# KiCad board panel.kicad_pcb
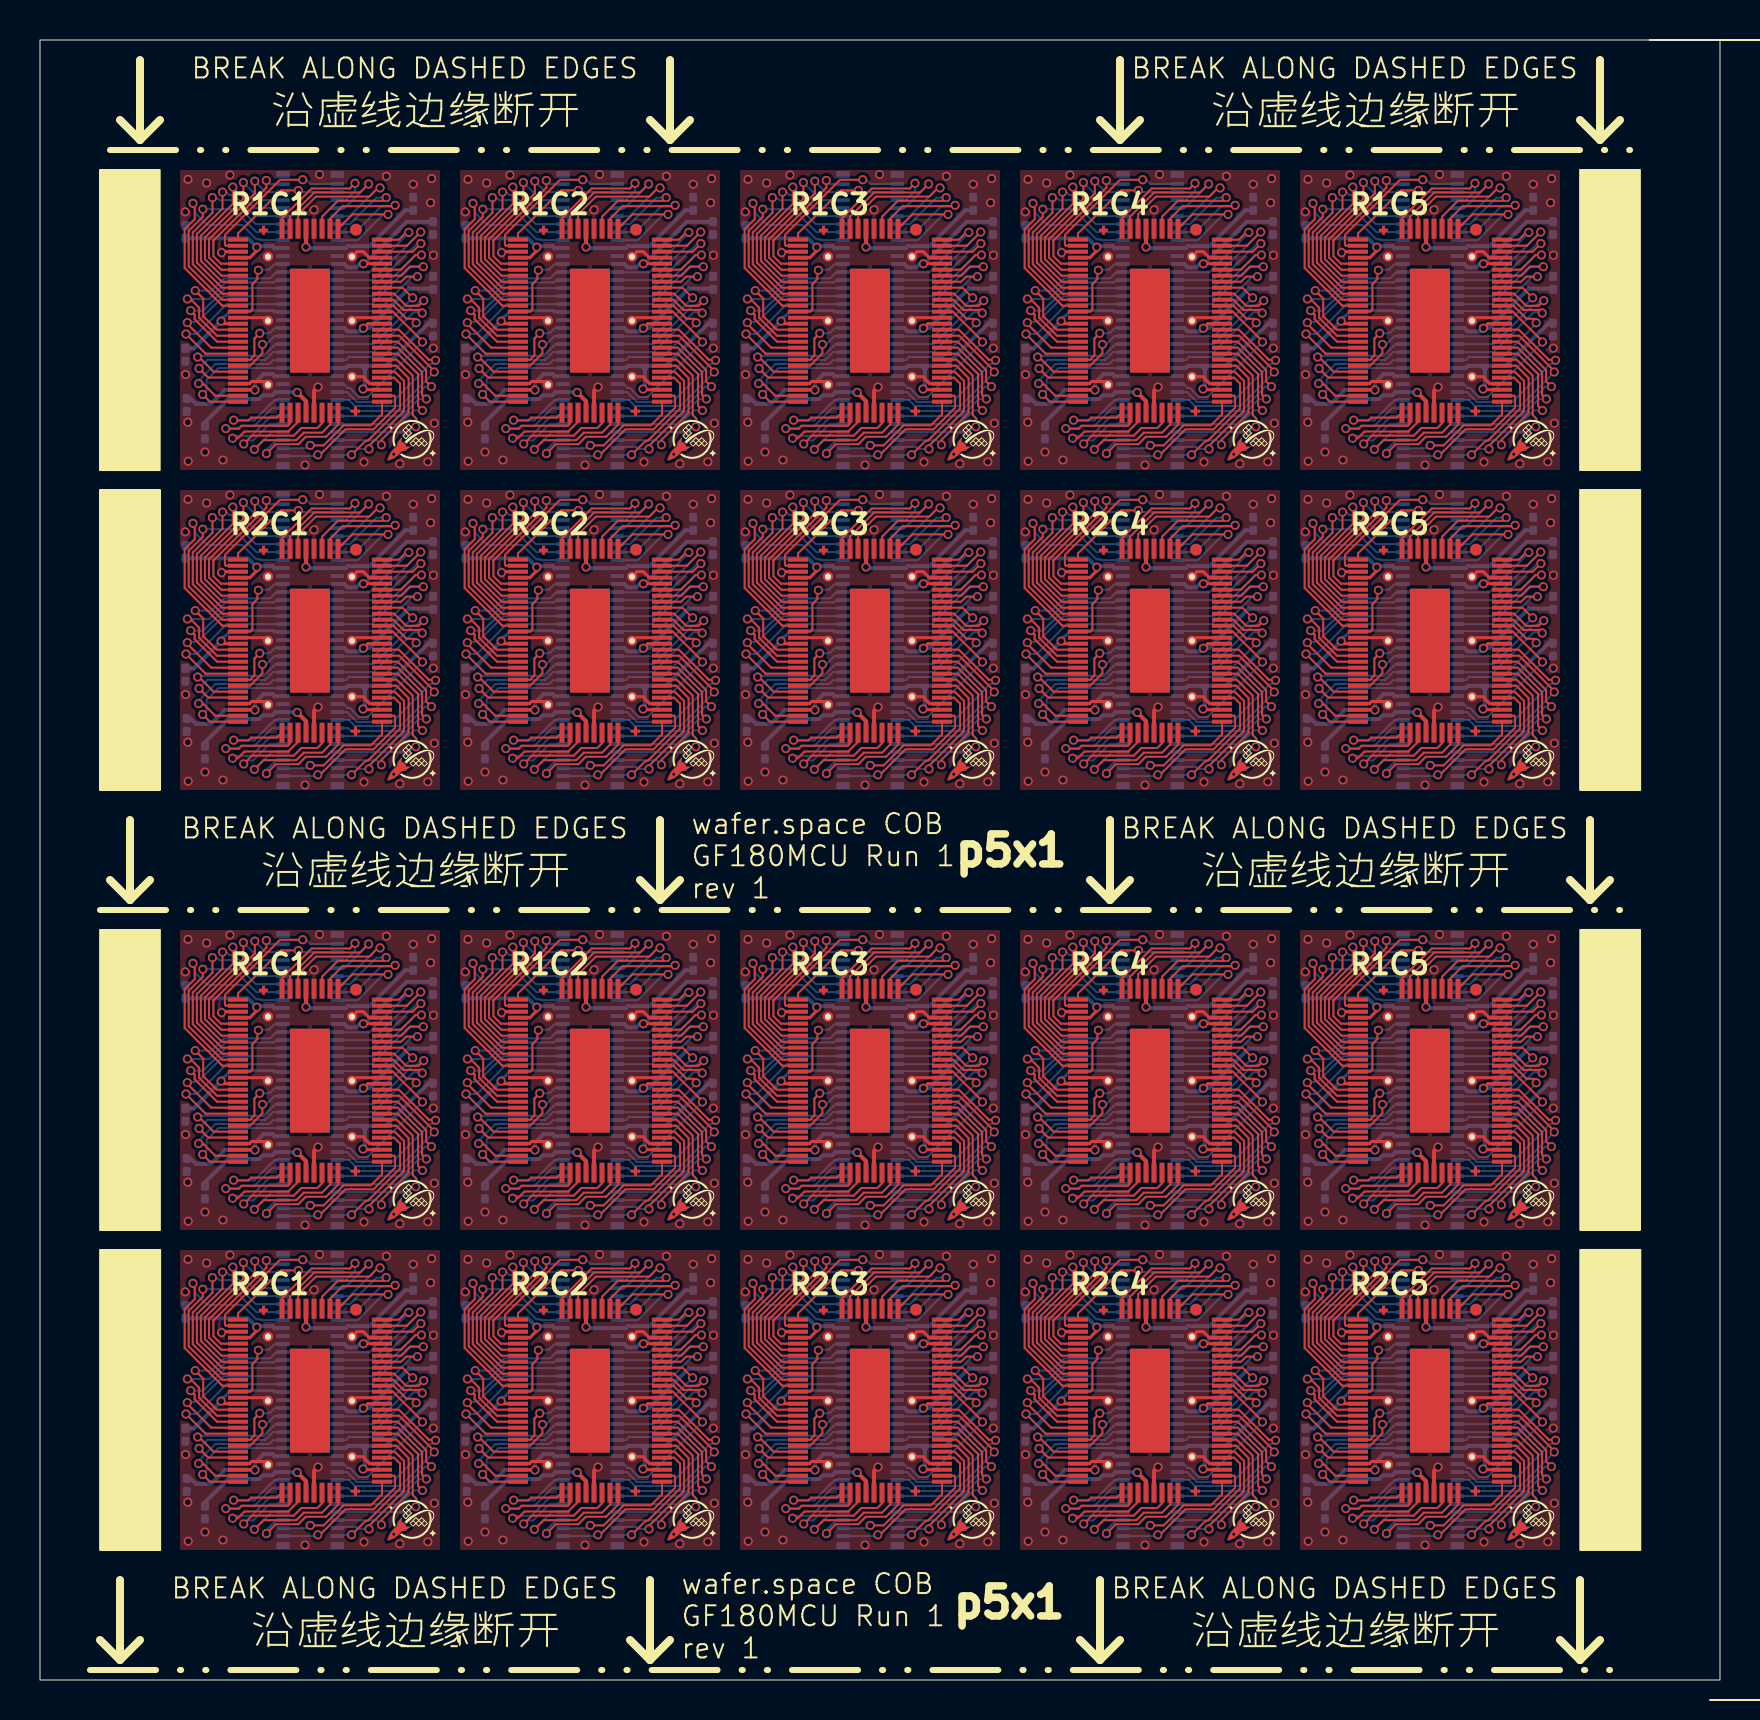
[diagram p0: board, top side]
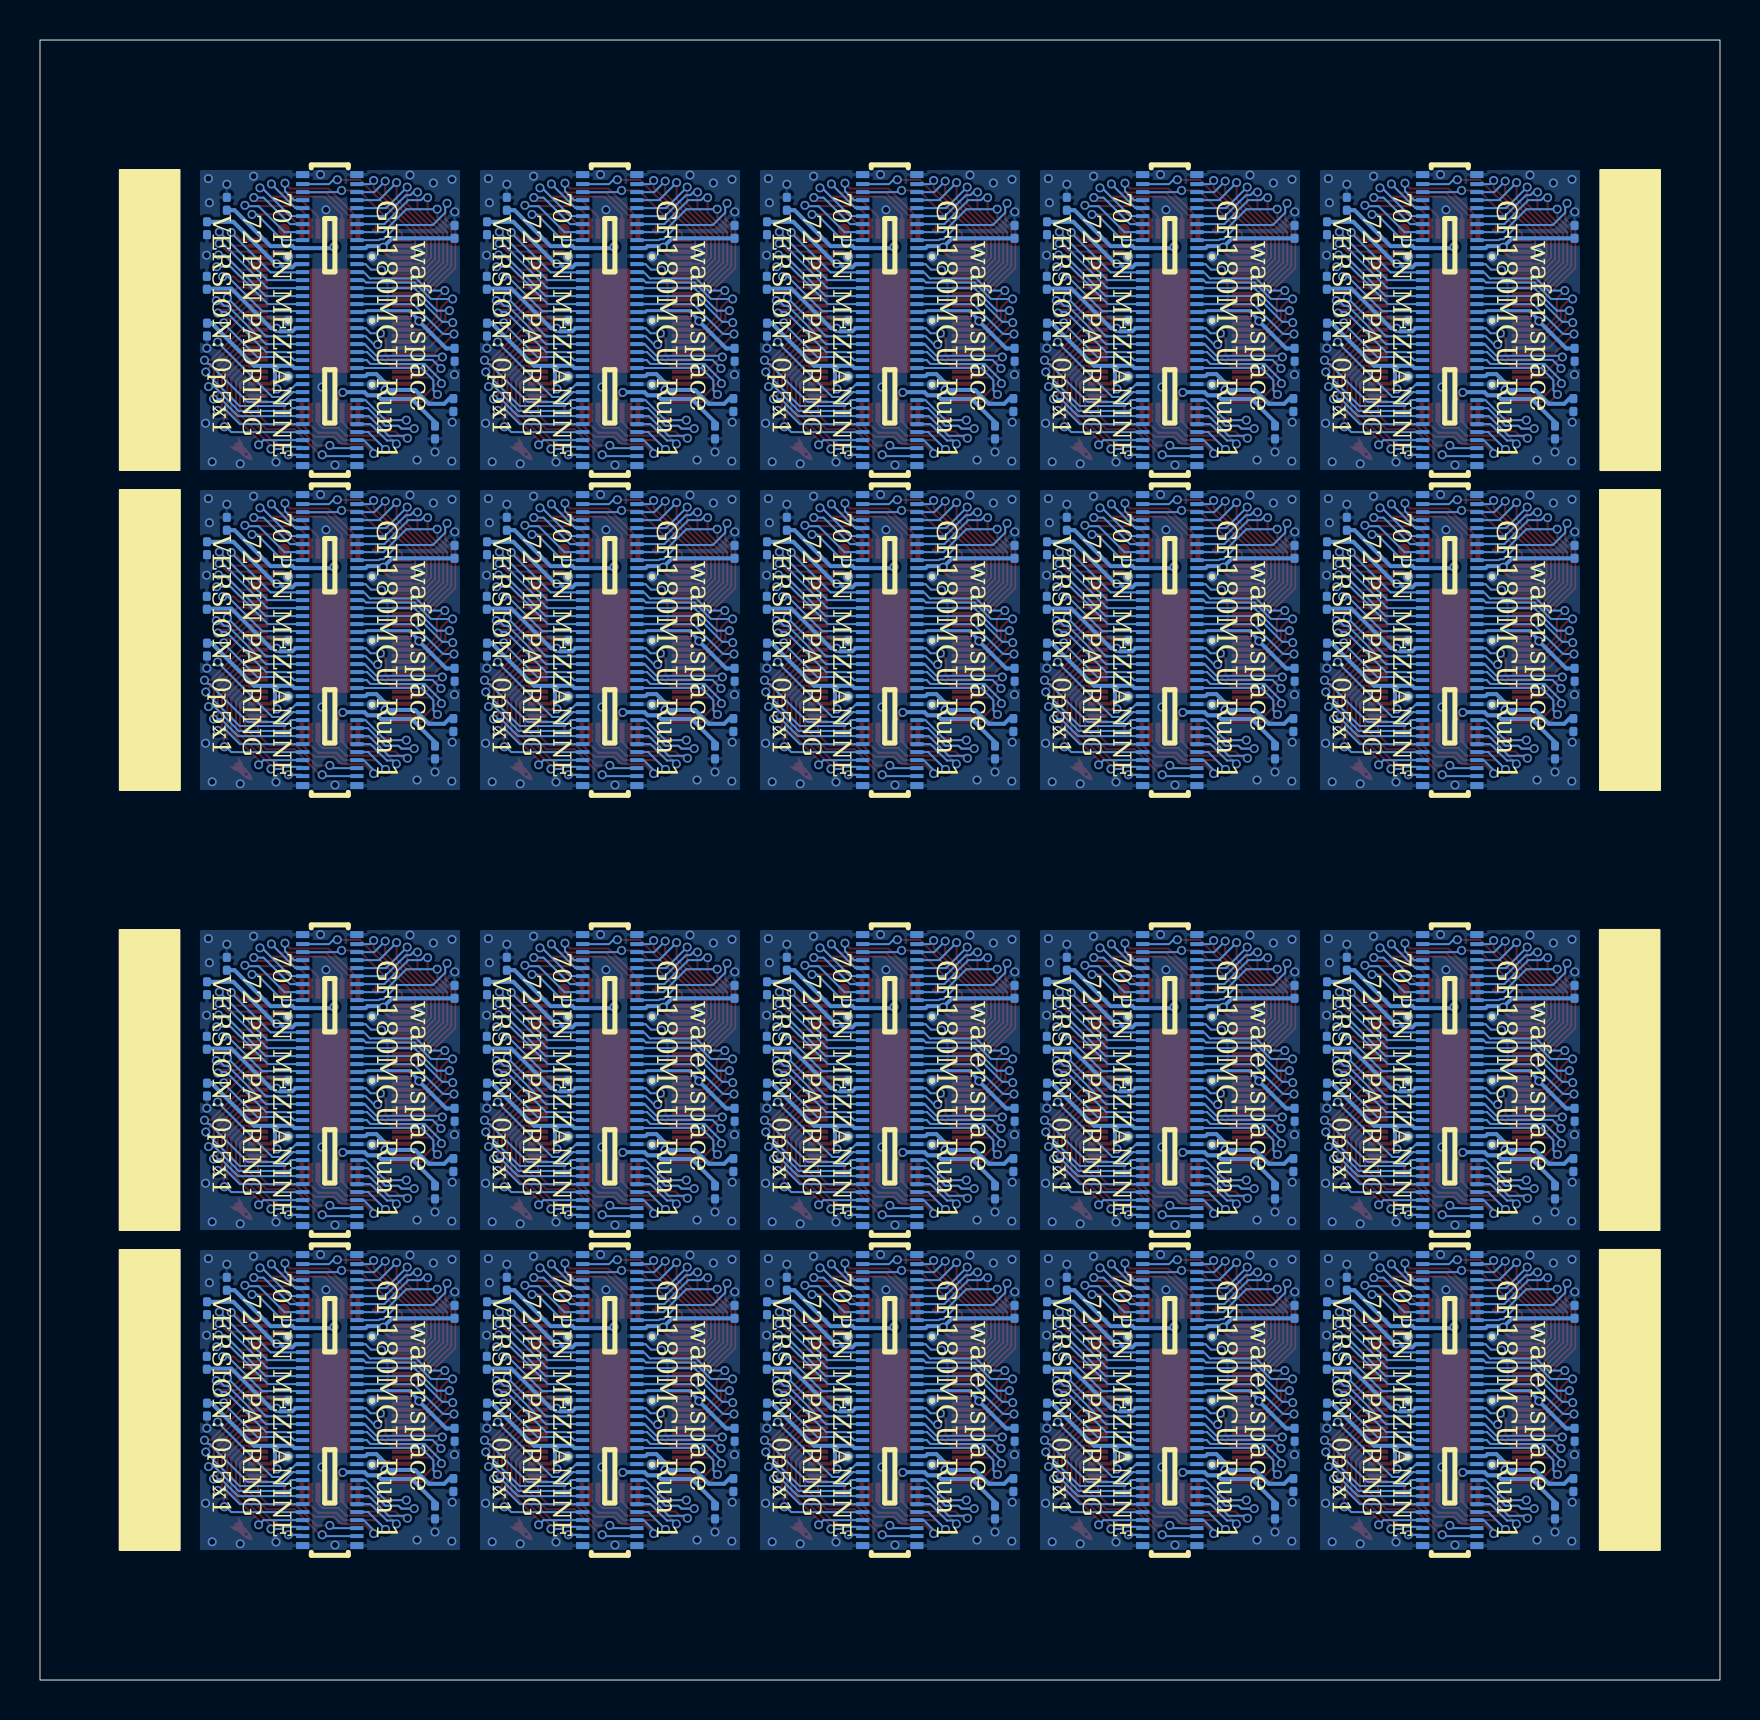
[diagram p1: board, bottom side, seen from below]

Outline 84 x 82 mm; copper layers: Top, Bottom. Coordinates in mm from the lower left corner of the outline.
Outline path: rectangle 0,82 84,0
Stack: Top 0.0175mm / dielectric 1.1533mm FR4 er 4.5 / Bottom 0.0175mm

## Placement (name value [footprint] x y rotation side)
C101  C_Small  [C_0201_0603Metric]  8.25 24.38 270 bottom
C101#2  C_Small  [C_0201_0603Metric]  8.25 62.38 270 bottom
C102  C_Small  [C_0201_0603Metric]  18.66 35.81 90 bottom
C102#2  C_Small  [C_0201_0603Metric]  18.66 73.81 90 bottom
C103  C_Small  [C_0201_0603Metric]  7.33 63.75 270 bottom
C103#2  C_Small  [C_0201_0603Metric]  7.33 25.75 270 bottom
C104  C_Small  [C_0201_0603Metric]  19.65 34.59 270 bottom
C104#2  C_Small  [C_0201_0603Metric]  19.65 72.59 270 bottom
C105  C_Small  [C_0201_0603Metric]  7.27 28.26 270 bottom
C105#2  C_Small  [C_0201_0603Metric]  7.27 66.26 270 bottom
C106  C_Small  [C_0201_0603Metric]  19.66 31.86 90 bottom
C106#2  C_Small  [C_0201_0603Metric]  19.66 69.86 90 bottom
C107  C_Small  [C_0201_0603Metric]  7.27 72.41 90 bottom
C107#2  C_Small  [C_0201_0603Metric]  7.27 34.41 90 bottom
C108  C_Small  [C_0201_0603Metric]  19.65 29.52 270 bottom
C108#2  C_Small  [C_0201_0603Metric]  19.65 67.52 270 bottom
C109  C_Small  [C_0201_0603Metric]  22.25 24.38 270 bottom
C109#2  C_Small  [C_0201_0603Metric]  22.25 62.38 270 bottom
C110  C_Small  [C_0201_0603Metric]  32.66 73.81 90 bottom
C110#2  C_Small  [C_0201_0603Metric]  32.66 35.81 90 bottom
C111  C_Small  [C_0201_0603Metric]  21.33 25.75 270 bottom
C111#2  C_Small  [C_0201_0603Metric]  21.33 63.75 270 bottom
C112  C_Small  [C_0201_0603Metric]  33.65 34.59 270 bottom
C112#2  C_Small  [C_0201_0603Metric]  33.65 72.59 270 bottom
C113  C_Small  [C_0201_0603Metric]  21.27 66.26 270 bottom
C113#2  C_Small  [C_0201_0603Metric]  21.27 28.26 270 bottom
C114  C_Small  [C_0201_0603Metric]  33.66 31.86 90 bottom
C114#2  C_Small  [C_0201_0603Metric]  33.66 69.86 90 bottom
C115  C_Small  [C_0201_0603Metric]  21.27 72.41 90 bottom
C115#2  C_Small  [C_0201_0603Metric]  21.27 34.41 90 bottom
C116  C_Small  [C_0201_0603Metric]  33.65 67.52 270 bottom
C116#2  C_Small  [C_0201_0603Metric]  33.65 29.52 270 bottom
C117  C_Small  [C_0201_0603Metric]  36.25 24.38 270 bottom
C117#2  C_Small  [C_0201_0603Metric]  36.25 62.38 270 bottom
C118  C_Small  [C_0201_0603Metric]  46.66 73.81 90 bottom
C118#2  C_Small  [C_0201_0603Metric]  46.66 35.81 90 bottom
C119  C_Small  [C_0201_0603Metric]  35.33 63.75 270 bottom
C119#2  C_Small  [C_0201_0603Metric]  35.33 25.75 270 bottom
C120  C_Small  [C_0201_0603Metric]  47.65 34.59 270 bottom
C120#2  C_Small  [C_0201_0603Metric]  47.65 72.59 270 bottom
C121  C_Small  [C_0201_0603Metric]  35.27 28.26 270 bottom
C121#2  C_Small  [C_0201_0603Metric]  35.27 66.26 270 bottom
C122  C_Small  [C_0201_0603Metric]  47.66 31.86 90 bottom
C122#2  C_Small  [C_0201_0603Metric]  47.66 69.86 90 bottom
C123  C_Small  [C_0201_0603Metric]  35.27 72.41 90 bottom
C123#2  C_Small  [C_0201_0603Metric]  35.27 34.41 90 bottom
C124  C_Small  [C_0201_0603Metric]  47.65 29.52 270 bottom
C124#2  C_Small  [C_0201_0603Metric]  47.65 67.52 270 bottom
C125  C_Small  [C_0201_0603Metric]  50.25 62.38 270 bottom
C125#2  C_Small  [C_0201_0603Metric]  50.25 24.38 270 bottom
C126  C_Small  [C_0201_0603Metric]  60.66 73.81 90 bottom
C126#2  C_Small  [C_0201_0603Metric]  60.66 35.81 90 bottom
C127  C_Small  [C_0201_0603Metric]  49.33 63.75 270 bottom
C127#2  C_Small  [C_0201_0603Metric]  49.33 25.75 270 bottom
C128  C_Small  [C_0201_0603Metric]  61.65 34.59 270 bottom
C128#2  C_Small  [C_0201_0603Metric]  61.65 72.59 270 bottom
C129  C_Small  [C_0201_0603Metric]  49.27 28.26 270 bottom
C129#2  C_Small  [C_0201_0603Metric]  49.27 66.26 270 bottom
C130  C_Small  [C_0201_0603Metric]  61.66 69.86 90 bottom
C130#2  C_Small  [C_0201_0603Metric]  61.66 31.86 90 bottom
C131  C_Small  [C_0201_0603Metric]  49.27 72.41 90 bottom
C131#2  C_Small  [C_0201_0603Metric]  49.27 34.41 90 bottom
C132  C_Small  [C_0201_0603Metric]  61.65 67.52 270 bottom
C132#2  C_Small  [C_0201_0603Metric]  61.65 29.52 270 bottom
C133  C_Small  [C_0201_0603Metric]  64.25 24.38 270 bottom
C133#2  C_Small  [C_0201_0603Metric]  64.25 62.38 270 bottom
C134  C_Small  [C_0201_0603Metric]  74.66 73.81 90 bottom
C134#2  C_Small  [C_0201_0603Metric]  74.66 35.81 90 bottom
C135  C_Small  [C_0201_0603Metric]  63.33 63.75 270 bottom
C135#2  C_Small  [C_0201_0603Metric]  63.33 25.75 270 bottom
C136  C_Small  [C_0201_0603Metric]  75.65 34.59 270 bottom
C136#2  C_Small  [C_0201_0603Metric]  75.65 72.59 270 bottom
C137  C_Small  [C_0201_0603Metric]  63.27 28.26 270 bottom
C137#2  C_Small  [C_0201_0603Metric]  63.27 66.26 270 bottom
C138  C_Small  [C_0201_0603Metric]  75.66 31.86 90 bottom
C138#2  C_Small  [C_0201_0603Metric]  75.66 69.86 90 bottom
C139  C_Small  [C_0201_0603Metric]  63.27 72.41 90 bottom
C139#2  C_Small  [C_0201_0603Metric]  63.27 34.41 90 bottom
C140  C_Small  [C_0201_0603Metric]  75.65 67.52 270 bottom
C140#2  C_Small  [C_0201_0603Metric]  75.65 29.52 270 bottom
C141  C_Small  [C_0201_0603Metric]  8.25 8.38 270 bottom
C141#2  C_Small  [C_0201_0603Metric]  8.25 46.38 270 bottom
C142  C_Small  [C_0201_0603Metric]  18.66 57.81 90 bottom
C142#2  C_Small  [C_0201_0603Metric]  18.66 19.81 90 bottom
C143  C_Small  [C_0201_0603Metric]  7.33 9.75 270 bottom
C143#2  C_Small  [C_0201_0603Metric]  7.33 47.75 270 bottom
C144  C_Small  [C_0201_0603Metric]  19.65 56.59 270 bottom
C144#2  C_Small  [C_0201_0603Metric]  19.65 18.59 270 bottom
C145  C_Small  [C_0201_0603Metric]  7.27 12.26 270 bottom
C145#2  C_Small  [C_0201_0603Metric]  7.27 50.26 270 bottom
C146  C_Small  [C_0201_0603Metric]  19.66 15.86 90 bottom
C146#2  C_Small  [C_0201_0603Metric]  19.66 53.86 90 bottom
C147  C_Small  [C_0201_0603Metric]  7.27 18.41 90 bottom
C147#2  C_Small  [C_0201_0603Metric]  7.27 56.41 90 bottom
C148  C_Small  [C_0201_0603Metric]  19.65 13.52 270 bottom
C148#2  C_Small  [C_0201_0603Metric]  19.65 51.52 270 bottom
C149  C_Small  [C_0201_0603Metric]  22.25 8.38 270 bottom
C149#2  C_Small  [C_0201_0603Metric]  22.25 46.38 270 bottom
C150  C_Small  [C_0201_0603Metric]  32.66 19.81 90 bottom
C150#2  C_Small  [C_0201_0603Metric]  32.66 57.81 90 bottom
C151  C_Small  [C_0201_0603Metric]  21.33 9.75 270 bottom
C151#2  C_Small  [C_0201_0603Metric]  21.33 47.75 270 bottom
C152  C_Small  [C_0201_0603Metric]  33.65 18.59 270 bottom
C152#2  C_Small  [C_0201_0603Metric]  33.65 56.59 270 bottom
C153  C_Small  [C_0201_0603Metric]  21.27 50.26 270 bottom
C153#2  C_Small  [C_0201_0603Metric]  21.27 12.26 270 bottom
C154  C_Small  [C_0201_0603Metric]  33.66 53.86 90 bottom
C154#2  C_Small  [C_0201_0603Metric]  33.66 15.86 90 bottom
C155  C_Small  [C_0201_0603Metric]  21.27 18.41 90 bottom
C155#2  C_Small  [C_0201_0603Metric]  21.27 56.41 90 bottom
C156  C_Small  [C_0201_0603Metric]  33.65 13.52 270 bottom
C156#2  C_Small  [C_0201_0603Metric]  33.65 51.52 270 bottom
C157  C_Small  [C_0201_0603Metric]  36.25 8.38 270 bottom
C157#2  C_Small  [C_0201_0603Metric]  36.25 46.38 270 bottom
C158  C_Small  [C_0201_0603Metric]  46.66 57.81 90 bottom
C158#2  C_Small  [C_0201_0603Metric]  46.66 19.81 90 bottom
C159  C_Small  [C_0201_0603Metric]  35.33 47.75 270 bottom
C159#2  C_Small  [C_0201_0603Metric]  35.33 9.75 270 bottom
C160  C_Small  [C_0201_0603Metric]  47.65 18.59 270 bottom
C160#2  C_Small  [C_0201_0603Metric]  47.65 56.59 270 bottom
C161  C_Small  [C_0201_0603Metric]  35.27 12.26 270 bottom
C161#2  C_Small  [C_0201_0603Metric]  35.27 50.26 270 bottom
C162  C_Small  [C_0201_0603Metric]  47.66 15.86 90 bottom
C162#2  C_Small  [C_0201_0603Metric]  47.66 53.86 90 bottom
C163  C_Small  [C_0201_0603Metric]  35.27 18.41 90 bottom
C163#2  C_Small  [C_0201_0603Metric]  35.27 56.41 90 bottom
C164  C_Small  [C_0201_0603Metric]  47.65 13.52 270 bottom
C164#2  C_Small  [C_0201_0603Metric]  47.65 51.52 270 bottom
C165  C_Small  [C_0201_0603Metric]  50.25 8.38 270 bottom
C165#2  C_Small  [C_0201_0603Metric]  50.25 46.38 270 bottom
C166  C_Small  [C_0201_0603Metric]  60.66 19.81 90 bottom
C166#2  C_Small  [C_0201_0603Metric]  60.66 57.81 90 bottom
C167  C_Small  [C_0201_0603Metric]  49.33 9.75 270 bottom
C167#2  C_Small  [C_0201_0603Metric]  49.33 47.75 270 bottom
C168  C_Small  [C_0201_0603Metric]  61.65 56.59 270 bottom
C168#2  C_Small  [C_0201_0603Metric]  61.65 18.59 270 bottom
C169  C_Small  [C_0201_0603Metric]  49.27 12.26 270 bottom
C169#2  C_Small  [C_0201_0603Metric]  49.27 50.26 270 bottom
C170  C_Small  [C_0201_0603Metric]  61.66 15.86 90 bottom
C170#2  C_Small  [C_0201_0603Metric]  61.66 53.86 90 bottom
C171  C_Small  [C_0201_0603Metric]  49.27 18.41 90 bottom
C171#2  C_Small  [C_0201_0603Metric]  49.27 56.41 90 bottom
C172  C_Small  [C_0201_0603Metric]  61.65 13.52 270 bottom
C172#2  C_Small  [C_0201_0603Metric]  61.65 51.52 270 bottom
C173  C_Small  [C_0201_0603Metric]  64.25 8.38 270 bottom
C173#2  C_Small  [C_0201_0603Metric]  64.25 46.38 270 bottom
C174  C_Small  [C_0201_0603Metric]  74.66 19.81 90 bottom
C174#2  C_Small  [C_0201_0603Metric]  74.66 57.81 90 bottom
C175  C_Small  [C_0201_0603Metric]  63.33 9.75 270 bottom
C175#2  C_Small  [C_0201_0603Metric]  63.33 47.75 270 bottom
C176  C_Small  [C_0201_0603Metric]  75.65 18.59 270 bottom
C176#2  C_Small  [C_0201_0603Metric]  75.65 56.59 270 bottom
C177  C_Small  [C_0201_0603Metric]  63.27 50.26 270 bottom
C177#2  C_Small  [C_0201_0603Metric]  63.27 12.26 270 bottom
C178  C_Small  [C_0201_0603Metric]  75.66 53.86 90 bottom
C178#2  C_Small  [C_0201_0603Metric]  75.66 15.86 90 bottom
C179  C_Small  [C_0201_0603Metric]  63.27 56.41 90 bottom
C179#2  C_Small  [C_0201_0603Metric]  63.27 18.41 90 bottom
C180  C_Small  [C_0201_0603Metric]  75.65 51.52 270 bottom
C180#2  C_Small  [C_0201_0603Metric]  75.65 13.52 270 bottom
G***  LOGO  [waferspace_pin1_silk]  18.55 23.9 180 top
G***1  LOGO  [waferspace_pin1_silk]  32.55 23.9 180 top
G***1#2  LOGO  [waferspace_pin1_silk]  32.55 61.9 180 top
G***2  LOGO  [waferspace_pin1_silk]  46.55 23.9 180 top
G***2#2  LOGO  [waferspace_pin1_silk]  46.55 61.9 180 top
G***3  LOGO  [waferspace_pin1_silk]  60.55 61.9 180 top
G***3#2  LOGO  [waferspace_pin1_silk]  60.55 23.9 180 top
G***4  LOGO  [waferspace_pin1_silk]  74.55 23.9 180 top
G***4#2  LOGO  [waferspace_pin1_silk]  74.55 61.9 180 top
G***5  LOGO  [waferspace_pin1_silk]  18.55 7.9 180 top
G***5#2  LOGO  [waferspace_pin1_silk]  18.55 45.9 180 top
G***6  LOGO  [waferspace_pin1_silk]  32.55 7.9 180 top
G***6#2  LOGO  [waferspace_pin1_silk]  32.55 45.9 180 top
G***7  LOGO  [waferspace_pin1_silk]  46.55 7.9 180 top
G***7#2  LOGO  [waferspace_pin1_silk]  46.55 45.9 180 top
G***8  LOGO  [waferspace_pin1_silk]  60.55 45.9 180 top
G***8#2  LOGO  [waferspace_pin1_silk]  60.55 7.9 180 top
G***9  LOGO  [waferspace_pin1_silk]  74.55 7.9 180 top
G***9#2  LOGO  [waferspace_pin1_silk]  74.55 45.9 180 top
G***#2  LOGO  [waferspace_pin1_silk]  18.55 61.9 180 top
U101  ~  [CONN-SMD_70P-P0.40_HCTL_HC-PBB40C-70DP-0.4V-02]  13.51 68 270 bottom
U101#2  ~  [CONN-SMD_70P-P0.40_HCTL_HC-PBB40C-70DP-0.4V-02]  13.51 30 270 bottom
U102  ~  [waferspace_p5x1_padring_v0.2]  13.5 29.97 0 top
U102#2  ~  [waferspace_p5x1_padring_v0.2]  13.5 67.97 0 top
U103  ~  [CONN-SMD_70P-P0.40_HCTL_HC-PBB40C-70DP-0.4V-02]  27.51 30 270 bottom
U103#2  ~  [CONN-SMD_70P-P0.40_HCTL_HC-PBB40C-70DP-0.4V-02]  27.51 68 270 bottom
U104  ~  [waferspace_p5x1_padring_v0.2]  27.5 29.97 0 top
U104#2  ~  [waferspace_p5x1_padring_v0.2]  27.5 67.97 0 top
U105  ~  [CONN-SMD_70P-P0.40_HCTL_HC-PBB40C-70DP-0.4V-02]  41.51 30 270 bottom
U105#2  ~  [CONN-SMD_70P-P0.40_HCTL_HC-PBB40C-70DP-0.4V-02]  41.51 68 270 bottom
U106  ~  [waferspace_p5x1_padring_v0.2]  41.5 29.97 0 top
U106#2  ~  [waferspace_p5x1_padring_v0.2]  41.5 67.97 0 top
U107  ~  [CONN-SMD_70P-P0.40_HCTL_HC-PBB40C-70DP-0.4V-02]  55.51 68 270 bottom
U107#2  ~  [CONN-SMD_70P-P0.40_HCTL_HC-PBB40C-70DP-0.4V-02]  55.51 30 270 bottom
U108  ~  [waferspace_p5x1_padring_v0.2]  55.5 29.97 0 top
U108#2  ~  [waferspace_p5x1_padring_v0.2]  55.5 67.97 0 top
U109  ~  [CONN-SMD_70P-P0.40_HCTL_HC-PBB40C-70DP-0.4V-02]  69.51 68 270 bottom
U109#2  ~  [CONN-SMD_70P-P0.40_HCTL_HC-PBB40C-70DP-0.4V-02]  69.51 30 270 bottom
U110  ~  [waferspace_p5x1_padring_v0.2]  69.5 29.97 0 top
U110#2  ~  [waferspace_p5x1_padring_v0.2]  69.5 67.97 0 top
U111  ~  [CONN-SMD_70P-P0.40_HCTL_HC-PBB40C-70DP-0.4V-02]  13.51 52 270 bottom
U111#2  ~  [CONN-SMD_70P-P0.40_HCTL_HC-PBB40C-70DP-0.4V-02]  13.51 14 270 bottom
U112  ~  [waferspace_p5x1_padring_v0.2]  13.5 51.97 0 top
U112#2  ~  [waferspace_p5x1_padring_v0.2]  13.5 13.97 0 top
U113  ~  [CONN-SMD_70P-P0.40_HCTL_HC-PBB40C-70DP-0.4V-02]  27.51 52 270 bottom
U113#2  ~  [CONN-SMD_70P-P0.40_HCTL_HC-PBB40C-70DP-0.4V-02]  27.51 14 270 bottom
U114  ~  [waferspace_p5x1_padring_v0.2]  27.5 51.97 0 top
U114#2  ~  [waferspace_p5x1_padring_v0.2]  27.5 13.97 0 top
U115  ~  [CONN-SMD_70P-P0.40_HCTL_HC-PBB40C-70DP-0.4V-02]  41.51 14 270 bottom
U115#2  ~  [CONN-SMD_70P-P0.40_HCTL_HC-PBB40C-70DP-0.4V-02]  41.51 52 270 bottom
U116  ~  [waferspace_p5x1_padring_v0.2]  41.5 51.97 0 top
U116#2  ~  [waferspace_p5x1_padring_v0.2]  41.5 13.97 0 top
U117  ~  [CONN-SMD_70P-P0.40_HCTL_HC-PBB40C-70DP-0.4V-02]  55.51 14 270 bottom
U117#2  ~  [CONN-SMD_70P-P0.40_HCTL_HC-PBB40C-70DP-0.4V-02]  55.51 52 270 bottom
U118  ~  [waferspace_p5x1_padring_v0.2]  55.5 51.97 0 top
U118#2  ~  [waferspace_p5x1_padring_v0.2]  55.5 13.97 0 top
U119  ~  [CONN-SMD_70P-P0.40_HCTL_HC-PBB40C-70DP-0.4V-02]  69.51 14 270 bottom
U119#2  ~  [CONN-SMD_70P-P0.40_HCTL_HC-PBB40C-70DP-0.4V-02]  69.51 52 270 bottom
U120  ~  [waferspace_p5x1_padring_v0.2]  69.5 13.97 0 top
U120#2  ~  [waferspace_p5x1_padring_v0.2]  69.5 51.97 0 top

## Library data of the parts
C101 C101#2 C102 C102#2 C103 C103#2 C104 C104#2 C105 C105#2 C106 C106#2 C107 C107#2 C108 C108#2 C109 C109#2 C110 C110#2 C111 C111#2 C112 C112#2 C113 C113#2 C114 C114#2 C115 C115#2 C116 C116#2 C117 C117#2 C118 C118#2 C119 C119#2 C120 C120#2 C121 C121#2 C122 C122#2 C123 C123#2 C124 C124#2 C125 C125#2 C126 C126#2 C127 C127#2 C128 C128#2 C129 C129#2 C130 C130#2 C131 C131#2 C132 C132#2 C133 C133#2 C134 C134#2 C135 C135#2 C136 C136#2 C137 C137#2 C138 C138#2 C139 C139#2 C140 C140#2 C141 C141#2 C142 C142#2 C143 C143#2 C144 C144#2 C145 C145#2 C146 C146#2 C147 C147#2 C148 C148#2 C149 C149#2 C150 C150#2 C151 C151#2 C152 C152#2 C153 C153#2 C154 C154#2 C155 C155#2 C156 C156#2 C157 C157#2 C158 C158#2 C159 C159#2 C160 C160#2 C161 C161#2 C162 C162#2 C163 C163#2 C164 C164#2 C165 C165#2 C166 C166#2 C167 C167#2 C168 C168#2 C169 C169#2 C170 C170#2 C171 C171#2 C172 C172#2 C173 C173#2 C174 C174#2 C175 C175#2 C176 C176#2 C177 C177#2 C178 C178#2 C179 C179#2 C180 C180#2 = -: Description: Unpolarized capacitor, small symbol; ki_fp_filters: C_*

## Footprints (pads in the part's own frame, mm; a bottom-side part is the same pattern mirrored in y, then rotated)
C_0201_0603Metric
  rrect 0.318x0.36 smd: (-0.345,0) (0.345,0)
  rrect 0.46x0.4 smd: 1(-0.32,0) 2(0.32,0)
CONN-SMD_70P-P0.40_HCTL_HC-PBB40C-70DP-0.4V-02
  rect 0.2x0.66 smd: 1(-6.8,-1.355) 2(-6.4,-1.355) 3(-6,-1.355) 4(-5.6,-1.355) 5(-5.2,-1.355) 6(-4.8,-1.355) 7(-4.4,-1.355) 8(-4,-1.355) 9(-3.6,-1.355) 10(-3.2,-1.355) 11(-2.8,-1.355) 12(-2.4,-1.355) 13(-2,-1.355) 14(-1.6,-1.355) 15(-1.2,-1.355) 16(-0.8,-1.355) 17(-0.4,-1.355) 18(0,-1.355) 19(0.4,-1.355) 20(0.8,-1.355) 21(1.2,-1.355) 22(1.6,-1.355) 23(2,-1.355) 24(2.4,-1.355) 25(2.8,-1.355) 26(3.2,-1.355) 27(3.6,-1.355) 28(4,-1.355) 29(4.4,-1.355) 30(4.8,-1.355) 31(5.2,-1.355) 32(5.6,-1.355) 33(6,-1.355) 34(6.4,-1.355) 35(6.8,-1.355) 36(6.8,1.355) 37(6.4,1.355) 38(6,1.355) 39(5.6,1.355) 40(5.2,1.355) 41(4.8,1.355) 42(4.4,1.355) 43(4,1.355) 44(3.6,1.355) 45(3.2,1.355) 46(2.8,1.355) 47(2.4,1.355) 48(2,1.355) 49(1.6,1.355) 50(1.2,1.355) 51(0.8,1.355) 52(0.4,1.355) 53(0,1.355) 54(-0.4,1.355) 55(-0.8,1.355) 56(-1.2,1.355) 57(-1.6,1.355) 58(-2,1.355) 59(-2.4,1.355) 60(-2.8,1.355) 61(-3.2,1.355) 62(-3.6,1.355) 63(-4,1.355) 64(-4.4,1.355) 65(-4.8,1.355) 66(-5.2,1.355) 67(-5.6,1.355) 68(-6,1.355) 69(-6.4,1.355) 70(-6.8,1.355)
  rect 0.35x0.66 smd: MP(-7.275,-1.355) MP(-7.275,1.355) MP(7.275,-1.355) MP(7.275,1.355)
waferspace_p5x1_padring_v0.2
  rect 0.25x1 smd: 1(1.4,4.6) 2(1,4.6) 3(0.6,4.6) 4(0.2,4.6) 5(-0.2,4.6) 6(-0.6,4.6) 7(-1,4.6) 8(-1.4,4.6) 37(-1.4,-4.6) 38(-1,-4.6) 39(-0.6,-4.6) 40(-0.2,-4.6) 41(0.2,-4.6) 42(0.6,-4.6) 43(1,-4.6) 44(1.4,-4.6)
  rect 1x0.2 smd: 9(-3.6,4.05) 10(-3.6,3.75) 11(-3.6,3.45) 12(-3.6,3.15) 13(-3.6,2.85) 14(-3.6,2.55) 15(-3.6,2.25) 16(-3.6,1.95) 17(-3.6,1.65) 18(-3.6,1.35) 19(-3.6,1.05) 20(-3.6,0.75) 21(-3.6,0.45) 22(-3.6,0.15) 23(-3.6,-0.15) 24(-3.6,-0.45) 25(-3.6,-0.75) 26(-3.6,-1.05) 27(-3.6,-1.35) 28(-3.6,-1.65) 29(-3.6,-1.95) 30(-3.6,-2.25) 31(-3.6,-2.55) 32(-3.6,-2.85) 33(-3.6,-3.15) 34(-3.6,-3.45) 35(-3.6,-3.75) 36(-3.6,-4.05) 45(3.6,-4.05) 46(3.6,-3.75) 47(3.6,-3.45) 48(3.6,-3.15) 49(3.6,-2.85) 50(3.6,-2.55) 51(3.6,-2.25) 52(3.6,-1.95) 53(3.6,-1.65) 54(3.6,-1.35) 55(3.6,-1.05) 56(3.6,-0.75) 57(3.6,-0.45) 58(3.6,-0.15) 59(3.6,0.15) 60(3.6,0.45) 61(3.6,0.75) 62(3.6,1.05) 63(3.6,1.35) 64(3.6,1.65) 65(3.6,1.95) 66(3.6,2.25) 67(3.6,2.55) 68(3.6,2.85) 69(3.6,3.15) 70(3.6,3.45) 71(3.6,3.75) 72(3.6,4.05)
  rrect 2x5.2 smd: 75(0,0)
  round 0.5 hole 0.3: 76(2.1,-2.8) 77(2.1,0) 78(2.1,3.2) 79(-2.1,3.2) 80(-2.1,0) 81(-2.1,-3.2)

## Nets
GND: C101.2 C101#2.2 C102.2 C102#2.2 C103.2 C103#2.2 C104.2 C104#2.2 C105.2 C105#2.2 C106.2 C106#2.2 C107.2 C107#2.2 C108.2 C108#2.2 C109.2 C109#2.2 C110.2 C110#2.2 C111.2 C111#2.2 C112.2 C112#2.2 C113.2 C113#2.2 C114.2 C114#2.2 C115.2 C115#2.2 C116.2 C116#2.2 C117.2 C117#2.2 C118.2 C118#2.2 C119.2 C119#2.2 C120.2 C120#2.2 C121.2 C121#2.2 C122.2 C122#2.2 C123.2 C123#2.2 C124.2 C124#2.2 C125.2 C125#2.2 C126.2 C126#2.2 C127.2 C127#2.2 C128.2 C128#2.2 C129.2 C129#2.2 C130.2 C130#2.2 C131.2 C131#2.2 C132.2 C132#2.2 C133.2 C133#2.2 C134.2 C134#2.2 C135.2 C135#2.2 C136.2 C136#2.2 C137.2 C137#2.2 C138.2 C138#2.2 C139.2 C139#2.2 C140.2 C140#2.2 C141.2 C141#2.2 C142.2 C142#2.2 C143.2 C143#2.2 C144.2 C144#2.2 C145.2 C145#2.2 C146.2 C146#2.2 C147.2 C147#2.2 C148.2 C148#2.2 C149.2 C149#2.2 C150.2 C150#2.2 C151.2 C151#2.2 C152.2 C152#2.2 C153.2 C153#2.2 C154.2 C154#2.2 C155.2 C155#2.2 C156.2 C156#2.2 C157.2 C157#2.2 C158.2 C158#2.2 C159.2 C159#2.2 C160.2 C160#2.2 C161.2 C161#2.2 C162.2 C162#2.2 C163.2 C163#2.2 C164.2 C164#2.2 C165.2 C165#2.2 C166.2 C166#2.2 C167.2 C167#2.2 C168.2 C168#2.2 C169.2 C169#2.2 C170.2 C170#2.2 C171.2 C171#2.2 C172.2 C172#2.2 C173.2 C173#2.2 C174.2 C174#2.2 C175.2 C175#2.2 C176.2 C176#2.2 C177.2 C177#2.2 C178.2 C178#2.2 C179.2 C179#2.2 C180.2 C180#2.2 U101.10 U101.18 U101.25 U101.45 U101.53 U101.61 U101.MP U101#2.10 U101#2.18 U101#2.25 U101#2.45 U101#2.53 U101#2.61 U101#2.MP U102.4 U102.11 U102.22 U102.33 U102.41 U102.48 U102.59 U102.69 U102.75 U102.76 U102.77 U102.78 U102.79 U102.80 U102.81 U102#2.4 U102#2.11 U102#2.22 U102#2.33 U102#2.41 U102#2.48 U102#2.59 U102#2.69 U102#2.75 U102#2.76 U102#2.77 U102#2.78 U102#2.79 U102#2.80 U102#2.81 U103.10 U103.18 U103.25 U103.45 U103.53 U103.61 U103.MP U103#2.10 U103#2.18 U103#2.25 U103#2.45 U103#2.53 U103#2.61 U103#2.MP U104.4 U104.11 U104.22 U104.33 U104.41 U104.48 U104.59 U104.69 U104.75 U104.76 U104.77 U104.78 U104.79 U104.80 U104.81 U104#2.4 U104#2.11 U104#2.22 U104#2.33 U104#2.41 U104#2.48 U104#2.59 U104#2.69 U104#2.75 U104#2.76 U104#2.77 U104#2.78 U104#2.79 U104#2.80 U104#2.81 U105.10 U105.18 U105.25 U105.45 U105.53 U105.61 U105.MP U105#2.10 U105#2.18 U105#2.25 U105#2.45 U105#2.53 U105#2.61 U105#2.MP U106.4 U106.11 U106.22 U106.33 U106.41 U106.48 U106.59 U106.69 U106.75 U106.76 U106.77 U106.78 U106.79 U106.80 U106.81 U106#2.4 U106#2.11 U106#2.22 U106#2.33 U106#2.41 U106#2.48 U106#2.59 U106#2.69 U106#2.75 U106#2.76 U106#2.77 U106#2.78 U106#2.79 U106#2.80 U106#2.81 U107.10 U107.18 U107.25 U107.45 U107.53 U107.61 U107.MP U107#2.10 U107#2.18 U107#2.25 U107#2.45 U107#2.53 U107#2.61 U107#2.MP U108.4 U108.11 U108.22 U108.33 U108.41 U108.48 U108.59 U108.69 U108.75 U108.76 U108.77 U108.78 U108.79 U108.80 U108.81 U108#2.4 U108#2.11 U108#2.22 U108#2.33 U108#2.41 U108#2.48 U108#2.59 U108#2.69 U108#2.75 U108#2.76 U108#2.77 U108#2.78 U108#2.79 U108#2.80 U108#2.81 U109.10 U109.18 U109.25 U109.45 U109.53 U109.61 U109.MP U109#2.10 U109#2.18 U109#2.25 U109#2.45 U109#2.53 U109#2.61 U109#2.MP U110.4 U110.11 U110.22 U110.33 U110.41 U110.48 U110.59 U110.69 U110.75 U110.76 U110.77 U110.78 U110.79 U110.80 U110.81 U110#2.4 U110#2.11 U110#2.22 U110#2.33 U110#2.41 U110#2.48 U110#2.59 U110#2.69 U110#2.75 U110#2.76 U110#2.77 U110#2.78 U110#2.79 U110#2.80 U110#2.81 U111.10 U111.18 U111.25 U111.45 U111.53 U111.61 U111.MP U111#2.10 U111#2.18 U111#2.25 U111#2.45 U111#2.53 U111#2.61 U111#2.MP U112.4 U112.11 U112.22 U112.33 U112.41 U112.48 U112.59 U112.69 U112.75 U112.76 U112.77 U112.78 U112.79 U112.80 U112.81 U112#2.4 U112#2.11 U112#2.22 U112#2.33 U112#2.41 U112#2.48 U112#2.59 U112#2.69 U112#2.75 U112#2.76 U112#2.77 U112#2.78 U112#2.79 U112#2.80 U112#2.81 U113.10 U113.18 U113.25 U113.45 U113.53 U113.61 U113.MP U113#2.10 U113#2.18 U113#2.25 U113#2.45 U113#2.53 U113#2.61 U113#2.MP U114.4 U114.11 U114.22 U114.33 U114.41 U114.48 U114.59 U114.69 U114.75 U114.76 U114.77 U114.78 U114.79 U114.80 U114.81 U114#2.4 U114#2.11 U114#2.22 U114#2.33 U114#2.41 U114#2.48 U114#2.59 U114#2.69 U114#2.75 U114#2.76 U114#2.77 U114#2.78 U114#2.79 U114#2.80 U114#2.81 U115.10 U115.18 U115.25 U115.45 U115.53 U115.61 U115.MP U115#2.10 U115#2.18 U115#2.25 U115#2.45 U115#2.53 U115#2.61 U115#2.MP U116.4 U116.11 U116.22 U116.33 U116.41 U116.48 U116.59 U116.69 U116.75 U116.76 U116.77 U116.78 U116.79 U116.80 U116.81 U116#2.4 U116#2.11 U116#2.22 U116#2.33 U116#2.41 U116#2.48 U116#2.59 U116#2.69 U116#2.75 U116#2.76 U116#2.77 U116#2.78 U116#2.79 U116#2.80 U116#2.81 U117.10 U117.18 U117.25 U117.45 U117.53 U117.61 U117.MP U117#2.10 U117#2.18 U117#2.25 U117#2.45 U117#2.53 U117#2.61 U117#2.MP U118.4 U118.11 U118.22 U118.33 U118.41 U118.48 U118.59 U118.69 U118.75 U118.76 U118.77 U118.78 U118.79 U118.80 U118.81 U118#2.4 U118#2.11 U118#2.22 U118#2.33 U118#2.41 U118#2.48 U118#2.59 U118#2.69 U118#2.75 U118#2.76 U118#2.77 U118#2.78 U118#2.79 U118#2.80 U118#2.81 U119.10 U119.18 U119.25 U119.45 U119.53 U119.61 U119.MP U119#2.10 U119#2.18 U119#2.25 U119#2.45 U119#2.53 U119#2.61 U119#2.MP U120.4 U120.11 U120.22 U120.33 U120.41 U120.48 U120.59 U120.69 U120.75 U120.76 U120.77 U120.78 U120.79 U120.80 U120.81 U120#2.4 U120#2.11 U120#2.22 U120#2.33 U120#2.41 U120#2.48 U120#2.59 U120#2.69 U120#2.75 U120#2.76 U120#2.77 U120#2.78 U120#2.79 U120#2.80 U120#2.81
VDD_CORE_0: C103.1 C103#2.1 C111.1 C111#2.1 C119.1 C119#2.1 C127.1 C127#2.1 C135.1 C135#2.1 C143.1 C143#2.1 C151.1 C151#2.1 C159.1 C159#2.1 C167.1 C167#2.1 C175.1 C175#2.1 U101.46 U101#2.46 U102.34 U102#2.34 U103.46 U103#2.46 U104.34 U104#2.34 U105.46 U105#2.46 U106.34 U106#2.34 U107.46 U107#2.46 U108.34 U108#2.34 U109.46 U109#2.46 U110.34 U110#2.34 U111.46 U111#2.46 U112.34 U112#2.34 U113.46 U113#2.46 U114.34 U114#2.34 U115.46 U115#2.46 U116.34 U116#2.34 U117.46 U117#2.46 U118.34 U118#2.34 U119.46 U119#2.46 U120.34 U120#2.34
VDD_CORE_1: C104.1 C104#2.1 C112.1 C112#2.1 C120.1 C120#2.1 C128.1 C128#2.1 C136.1 C136#2.1 C144.1 C144#2.1 C152.1 C152#2.1 C160.1 C160#2.1 C168.1 C168#2.1 C176.1 C176#2.1 U101.11 U101#2.11 U102.68 U102#2.68 U103.11 U103#2.11 U104.68 U104#2.68 U105.11 U105#2.11 U106.68 U106#2.68 U107.11 U107#2.11 U108.68 U108#2.68 U109.11 U109#2.11 U110.68 U110#2.68 U111.11 U111#2.11 U112.68 U112#2.68 U113.11 U113#2.11 U114.68 U114#2.68 U115.11 U115#2.11 U116.68 U116#2.68 U117.11 U117#2.11 U118.68 U118#2.68 U119.11 U119#2.11 U120.68 U120#2.68
VDD_IO_0: C107.1 C107#2.1 C115.1 C115#2.1 C123.1 C123#2.1 C131.1 C131#2.1 C139.1 C139#2.1 C147.1 C147#2.1 C155.1 C155#2.1 C163.1 C163#2.1 C171.1 C171#2.1 C179.1 C179#2.1 U101.62 U101#2.62 U102.12 U102#2.12 U103.62 U103#2.62 U104.12 U104#2.12 U105.62 U105#2.62 U106.12 U106#2.12 U107.62 U107#2.62 U108.12 U108#2.12 U109.62 U109#2.62 U110.12 U110#2.12 U111.62 U111#2.62 U112.12 U112#2.12 U113.62 U113#2.62 U114.12 U114#2.12 U115.62 U115#2.62 U116.12 U116#2.12 U117.62 U117#2.62 U118.12 U118#2.12 U119.62 U119#2.62 U120.12 U120#2.12
VDD_IO_1: C101.1 C101#2.1 C109.1 C109#2.1 C117.1 C117#2.1 C125.1 C125#2.1 C133.1 C133#2.1 C141.1 C141#2.1 C149.1 C149#2.1 C157.1 C157#2.1 C165.1 C165#2.1 C173.1 C173#2.1 U101.44 U101#2.44 U102.40 U102#2.40 U103.44 U103#2.44 U104.40 U104#2.40 U105.44 U105#2.44 U106.40 U106#2.40 U107.44 U107#2.44 U108.40 U108#2.40 U109.44 U109#2.44 U110.40 U110#2.40 U111.44 U111#2.44 U112.40 U112#2.40 U113.44 U113#2.44 U114.40 U114#2.40 U115.44 U115#2.44 U116.40 U116#2.40 U117.44 U117#2.44 U118.40 U118#2.40 U119.44 U119#2.44 U120.40 U120#2.40